# Altium PCB CrypTech.PcbDoc (part 6 of 6)
Units mm, origin at the board's own origin, x right, y up, seen from the top; angles counter-clockwise.
Board outline 99.5 x 122 mm, 8 copper layers (Top, Ground Plane 1, Inner Layer 1, 3V3 Plane, Power Plane, Inner Layer 2, Ground Plane 2, Bottom), stack 1.553 mm thick; 385 components, 302 nets, 2103 pads, 1544 vias.
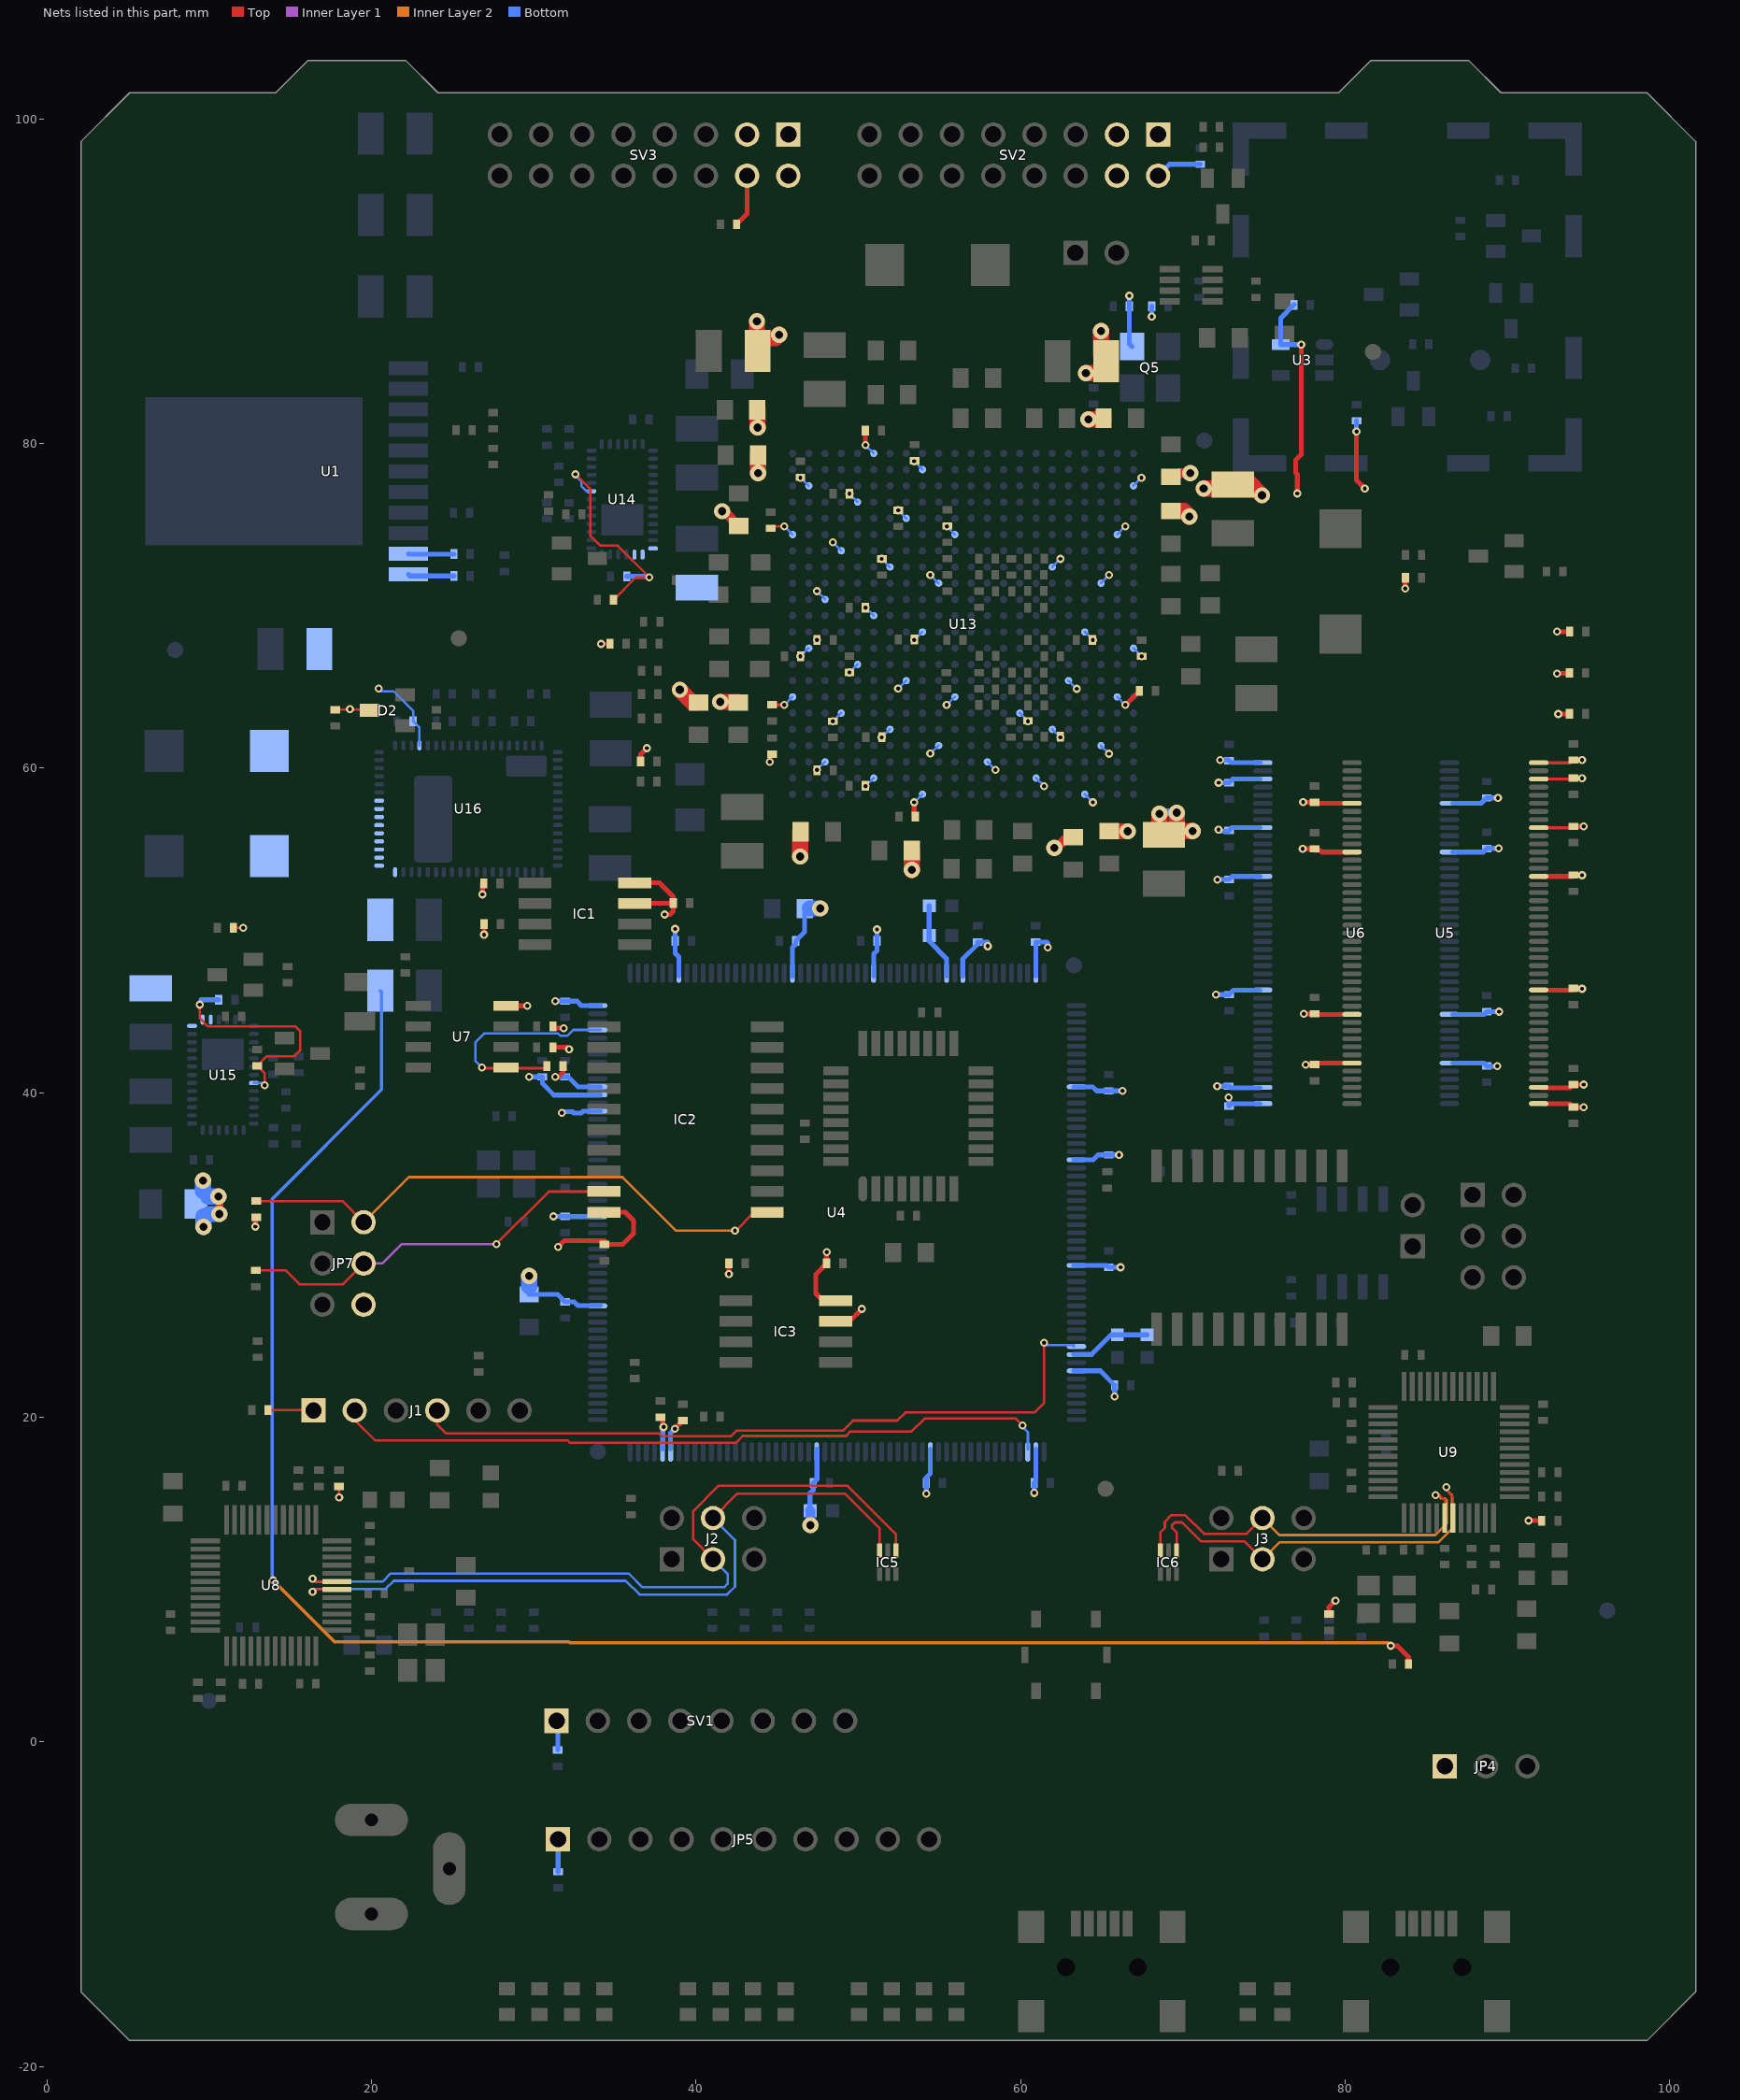
[diagram p12: the nets of this part, all layers, seen from the top]

## Via types
v1: diameter 0.5, hole 0.25, Top to Bottom, tented both sides, 1180 vias
v2: diameter 1, hole 0.5, Top to Bottom, tented both sides, 296 vias
v3: diameter 0.6, hole 0.25, Top to Bottom, tented both sides, 68 vias

## Nets (pads, with @x,y where several pads share a name; then routed paths per layer and width w, separated by ;. In a path a pad name is that pad's centre, name@x,y a point inside that pad or via, vN(x,y) a via of type N, cw(c..) or ccw(c..) an arc to the next point about the centre after c; other vN are vias at no path point) (continued)
RTC_SDA: R19.2 U4.49 U7.5 | length 13.9
  Top w0.15: v1(26.801,41.552) 26.85,41.503 30.683,41.503 R19.2@30.809,41.629
  Bottom w0.15: v1(26.801,41.552) 26.4,41.953 26.4,43.1 26.95,43.65 31.503,43.65 31.653,43.5 32.075,43.5 32.441,43.866 U4.49@34.112,43.866
SPI_A_TRISTATE: IC2.1 JP7.2 R46.1 | length 35
  Top w0.15: R46.1@12.9,33.325 18.21,33.325 JP7.2@19.52,32.015 ; v1(42.4,31.5) 42.45,31.5 43.587,32.637 IC2.1@44.385,32.637
  Inner Layer 2 w0.15: JP7.2@19.52,32.015 22.305,34.8 35.475,34.8 38.775,31.5 v1(42.4,31.5)
SPI_B_TRISTATE: IC2.19 JP7.4 R47.1 | length 24.2
  Top w0.15: R47.1@12.875,29.05 14.72,29.05 15.57,28.2 18.245,28.2 JP7.4@19.52,29.475 ; v1(27.7,30.675) 30.932,33.907 IC2.19@34.327,33.907
  Inner Layer 1 w0.15: JP7.4@19.52,29.475 20.675,29.475 21.875,30.675 v1(27.7,30.675)
SWDCLK: J1.2 U4.159 | length 44.7
  Top w0.15: J1.2@18.974,20.422 18.974,19.826 20.225,18.575 32.097,18.575 32.247,18.425 42.45,18.425 42.875,18.85 49.25,18.85 49.525,19.125 53.275,19.125 54.075,19.925 59.7,19.925 v1(60.125,19.5)
  Bottom w0.15: v1(60.125,19.5) 60.125,19.4 60.452,19.073 U4.159@60.452,18.034
SWDIO: J1.4 U4.147 | length 45.1
  Top w0.15: J1.4@24.054,20.422 24.054,19.546 24.6,19 37.728,19 37.903,18.825 42.15,18.825 42.5,19.175 49.05,19.175 49.675,19.8 52.403,19.8 52.903,20.3 60.85,20.3 61.45,20.9 v1(61.45,24.6)
  Bottom w0.15: v1(61.45,24.6) 61.6,24.45 63.271,24.45 U4.147@63.271,24.359
USB_MGMT_N: IC6.3 J3.4 U9.6 | length 25.9
  Top w0.15: IC6.3@68.613,11.799 68.613,12.908 68.888,13.183 68.888,13.561 69.302,13.975 70.136,13.975 71.294,12.817 73.93,12.817 J3.4@74.905,13.792 ; v1(85.575,15.2) 85.83,15.2 86.135,14.894 U9.6@86.135,13.8 ; U9.6@86.135,13.6 U9.6@86.135,14.403
  Inner Layer 2 w0.15: J3.4@74.905,13.792 75.95,12.747 85.547,12.747 86.25,13.45 86.25,14.9 86.144,15.006 85.897,15.006 85.703,15.2 v1(85.575,15.2)
USB_MGMT_P: IC6.1 J3.3 U9.7 | length 25.4
  Top w0.15: IC6.1@69.613,11.799 69.613,12.908 69.338,13.183 69.338,13.375 69.488,13.525 69.95,13.525 71.125,12.35 73.807,12.35 J3.3@74.905,11.252 ; v1@86.118,15.618 86.635,15.101 U9.7@86.635,13.8
  Inner Layer 2 w0.15: J3.3@74.905,11.252 75.95,12.297 85.734,12.297 86.568,13.132 86.568,15.218 86.229,15.557 v1(86.229,15.701)
USB_N: IC5.3 J2.4 U8.6 | length 46.5
  Top w0.15: v1(16.375,9.25) 16.511,9.386 U8.6@18.069,9.386 ; J2.4@41.046,13.792 42.554,15.3 49.175,15.3 51.316,13.159 IC5.3@51.316,11.799
  Bottom w0.15: v1(16.375,9.25) 16.55,9.425 20.875,9.425 21.375,9.925 35.664,9.925 36.514,9.075 41.911,9.075 42.4,9.564 42.4,12.439 J2.4@41.046,13.792
USB_P: IC5.1 J2.3 U8.7 | length 48.8
  Top w0.15: v1(16.375,10.05) 16.535,9.89 U8.7@18.069,9.89 ; J2.3@41.046,11.252 39.825,12.474 39.825,14.225 41.375,15.775 49.336,15.775 52.316,12.795 IC5.1@52.316,11.799
  Bottom w0.15: v1(16.375,10.05) 16.55,9.875 20.689,9.875 21.189,10.375 35.85,10.375 36.7,9.525 41.725,9.525 41.95,9.75 41.95,10.349 J2.3@41.046,11.252
VCAP1: C22.2 C23.2 U4.92 | length 4.8
  Bottom w0.3: C22.2@54.367,51.511 C23.2@54.367,49.682 54.367,49.333 55.448,48.252 U4.92@55.448,47.193
VCAP2: C24.2 C25.2 U4.148 | length 5
  Bottom w0.3: U4.148@63.271,23.876 64.376,23.876 65.584,25.084 C24.2@65.964,25.084 C25.2@67.793,25.084
VCC_5V0: C6.1 C8.1 C9.1 C10.1 C113.1 C114.1 C205.1 C206.1 D2.3 R8.2 R52.2 R54.2 R66.2 R72.1 R73.2 R75.2 R77.2 R78.2 U1.10 U1.11 U14.19 U14.20 U14.21 U14.33 U15.19 U15.20 U15.21 U15.33 U16.34 U16.35 U16.36 U16.37 U16.38 U16.39 U16.40 U16.41 U16.42 U16.43 U16.53 | length 154.4
  Top w0.15: v1(9.425,45.425) 9.425,44.575 9.923,44.077 15.323,44.077 15.6,43.8 15.6,42.6 15.25,42.25 13.565,42.25 R77.2@12.971,41.657 13.425,41.203 v1(13.425,40.45) ; R73.2@11.498,50.165 v1(12.09,50.165) ; R72.1@17.78,63.594 19.838,63.594 D2.3@19.88,63.551 ; v1(32.575,78.1) 33.5,77.175 33.5,74.3 34.1,73.7 35.175,73.7 v1(37.125,71.75) 36.309,71.75 R75.2@34.917,70.358
  Top w0.3: v1(82.798,5.925) 83.21,5.925 83.9,5.235 R78.2@83.9,4.8
  Inner Layer 2 w0.2: v1(13.95,9.95) 17.725,6.175 32.157,6.175 32.232,6.1 82.623,6.1 v1(82.798,5.925)
  Bottom w0.15: U15.33@12.751,40.597 13.278,40.597 v1(13.425,40.45) ; v1(20.45,64.9) 20.625,64.725 21.369,64.725 22.573,63.521 R66.2@22.573,62.89 22.962,62.501 U16.53@22.962,61.392 ; v1(32.575,78.1) 32.575,78 32.95,77.625 32.95,77.355 33.249,77.056 U14.33@33.553,77.056
  Bottom w0.2: v1(13.95,9.95) 13.875,9.95 13.875,33.443 20.625,40.193 20.625,46.201 C206.1@20.547,46.279
  Bottom w0.3: 9.486,45.72 R54.2@10.592,45.72 ; U1.11@22.276,71.933 22.377,71.831 C6.1@25.078,71.831 ; U1.10@22.276,73.203 22.301,73.177 R8.2@25.078,73.177 ; R52.2@35.73,71.806 37.069,71.806 v1(37.125,71.75)
  other v1: 18.675,63.625
VCCO_3V3: C16.2 C19.1 C21.1 C26.1 C27.1 C28.1 C29.1 C30.1 C31.1 C32.1 C33.1 C34.1 C35.1 C36.1 C37.1 C38.1 C39.1 C40.1 C41.1 C42.1 C43.1 C44.1 C45.1 C46.1 C47.1 C48.1 C49.1 C50.1 C51.1 C52.1 C53.1 C54.1 C55.1 C56.1 C57.1 C58.1 C59.1 C60.1 C61.1 C62.1 C63.1 C64.1 C65.1 C66.1 C67.1 C68.1 C69.1 C105.1 C108.1 C110.1 C111.1 C112.1 C121.1 C122.1 C165.1 C166.1 C167.1 C168.1 C169.1 C170.1 C171.1 C172.1 C173.1 C174.1 C175.1 C176.1 C177.1 C178.1 C179.1 C180.1 C181.1 C182.1 C183.1 C184.1 C185.1 C186.1 C187.1 C188.1 C189.1 C190.1 C191.1 C192.1 C193.1 C194.1 C195.1 C196.1 C197.1 C198.1 C199.1 C200.1 C201.1 C202.1 C203.1 C204.1 FB6.2 IC1.7 IC1.8 IC2.20 IC3.7 IC3.8 J1.1 JP4.1 JP5.1 JP7.6 Q5.4 R13.2 R17.1 R18.1 R19.1 R20.1 R21.1 R37.2 R38.2 R40.2 R41.2 R43.2 R44.2 R45.2 R46.2 R49.2 R51.2 R65.2 R90.1 R91.1 SV1.1 SV2.1 SV2.2 SV2.3 SV2.4 SV3.1 SV3.2 SV3.3 SV3.4 U3.5 U4.15 U4.26 U4.39 U4.41 U4.42 U4.52 U4.59 U4.73 U4.83 U4.94 U4.103 U4.115 U4.124 U4.137 U4.150 U4.158 U4.171 U4.185 U4.203 U4.204 U5.1 U5.3 U5.15 U5.29 U5.35 U5.41 U5.43 U5.49 U5.55 U5.75 U5.81 U6.1 U6.3 U6.15 U6.29 U6.35 U6.41 U6.43 U6.49 U6.55 U6.75 U6.81 U7.8 U13.A17 U13.AA7 U13.AA17 U13.AB4 U13.AB14 U13.B14 U13.C1 U13.C21 U13.D18 U13.E15 U13.F2 U13.F12 U13.F22 U13.G19 U13.H6 U13.H16 U13.J3 U13.J13 U13.K20 U13.L17 U13.M4 U13.M14 U13.N1 U13.N21 U13.P18 U13.R5 U13.R15 U13.T2 U13.T12 U13.T22 U13.U8 U13.U19 U13.V6 U13.V16 U13.W3 U13.W13 U13.Y10 U13.Y20 | length 258.8
  Top w0.15: C19.1@13.625,20.45 16.405,20.45 J1.1@16.434,20.422 ; v1(18.01,15.06) R91.1@18.01,15.74 ; v1(34.15,67.65) R41.2@34.7,67.65 ; C204.1@44.602,74.862 44.632,74.892 v1(45.442,74.892) ; v1@45.434,63.898 v1(45.442,63.889)
  Top w0.2: C187.1@44.679,63.898 v1@45.434,63.898 ; U5.35@92.1,56.326 93.977,56.326 C49.1@94.056,56.405 ; U5.41@92.1,59.326 94.005,59.326 C55.1@94.056,59.377 v1(94.6,59.377) ; U5.43@92.1,60.326 93.889,60.326 C53.1@94.056,60.493 ; v1@94.593,60.493 v1(94.6,60.5)
  Top w0.3: v1(12.85,31.75) 12.85,32.275 R46.2@12.9,32.325 ; v1(26.839,52.211) R18.1@26.839,52.908 ; v1(26.94,49.735) R17.1@26.94,50.393 ; U7.8@28.292,45.355 v1(29.595,45.355) v1@29.6,45.35 ; R20.1@31.183,42.799 32.051,42.799 v1(32.175,42.675) ; R21.1@31.183,44.094 31.328,43.95 31.353,43.975 v1(31.85,43.975) ; v1(31.322,40.978) 31.528,40.978 31.809,41.259 R19.1@31.809,41.629 ; v1@31.475,30.475 31.875,30.875 34.352,30.875 C110.1@34.352,30.648 35.473,30.648 36.15,31.325 36.15,32.125 35.638,32.637 IC2.20@34.327,32.637 IC2.20@34.352,32.612 ; v1@31.702,38.752 v1(31.727,38.752) ; IC1.7@36.229,51.663 38.588,51.663 C69.1@38.6,51.675 ; IC1.8@36.229,52.933 37.742,52.933 38.6,52.075 C69.1@38.6,51.675 ; R37.2@36.591,60.408 36.591,60.841 v1(36.975,61.225) ; C35.1@37.956,20.041 37.956,19.444 v1(38,19.4) ; v1(38.075,50.975) 38.4,50.975 38.6,51.175 C69.1@38.6,51.675 ; v1(38.7,19.3) C37.1@39.2,19.8 ; v1(42.025,28.825) R51.2@42.025,29.475 ; C122.1@42.5,93.5 43.149,94.149 SV3.4@43.149,96.495 ; v1(44.552,60.378) 44.552,60.702 R65.2@44.7,60.85 ; v1(48.05,30.175) C112.1@48.05,29.475 47.375,28.8 47.375,27.625 47.812,27.188 IC3.8@48.61,27.188 ; IC3.7@48.61,25.918 49.468,25.918 v1(50.225,26.675) ; C198.1@50.427,80.797 50.427,79.915 v1(50.446,79.896) ; v1(53.443,57.89) 53.443,57.064 C188.1@53.51,56.998 ; v1(66.453,63.885) 67.313,64.745 C190.1@67.318,64.745 ; v1(77.049,76.921) 77.049,78.101 76.95,78.2 76.95,78.978 77.291,79.319 v1(77.291,86.091) ; v1(77.376,55.024) C52.1@78.105,55.024 78.202,54.928 78.456,54.928 78.557,54.826 U5.55@80.227,54.826 ; v1(77.405,57.895) C50.1@78.105,57.895 78.173,57.826 U5.49@80.227,57.826 ; v1(77.454,44.852) 78.093,44.852 C56.1@78.105,44.864 78.147,44.823 U5.75@80.227,44.823 ; v1(77.573,41.727) C48.1@78.105,41.727 78.203,41.825 U5.81@80.227,41.825 ; R38.2@79,7.875 79,8.3 v1(79.4,8.7) ; v1(80.696,80.725) 80.696,77.737 v1(81.207,77.225) ; v1(83.704,71.053) 83.704,71.725 R40.2@83.709,71.73 ; v1(91.292,13.633) R90.1@92.108,13.633 ; U5.1@92.1,39.311 93.853,39.311 C47.1@94.056,39.108 v1(94.692,39.108) ; U5.3@92.1,40.301 93.862,40.301 C54.1@94.056,40.496 v1(94.696,40.496) ; U5.15@92.1,46.321 93.954,46.321 C51.1@94.056,46.423 94.577,46.423 v1(94.6,46.4) ; U5.29@92.1,53.326 93.974,53.326 C57.1@94.056,53.408 94.592,53.408 v1(94.6,53.4) ; v1(93.052,65.827) R44.2@93.836,65.827 ; v1(93.052,68.402) R43.2@93.836,68.402 ; v1(93.127,63.327) R45.2@93.81,63.327 ; C49.1@94.056,56.405 94.695,56.405 v1(94.7,56.4) ; C53.1@94.056,60.493 v1@94.593,60.493
  Top w0.5: v2(10.625,32.525) v2@10.625,33.6
  Top w0.6: v2(41.6,75.825) 41.717,75.825 C178.1@42.621,74.921 ; v2@62.089,54.961 62.871,55.743 C169.1@63.246,55.743 ; C175.1@69.266,77.943 69.493,77.943 69.725,78.175 v2(70.45,78.175)
  Top w1: v2(39,64.825) 39.782,64.043 C172.1@40.15,64.043 ; v2(41.5,64.075) C173.1@42.596,64.075 ; C166.1@43.7,86.475 44.9,86.475 v2(45.125,86.7) ; C166.1@43.75,86.1 v2(43.75,87.525) ; v2(43.8,80.975) C170.1@43.8,82.067 ; v2(43.825,78.175) C171.1@43.824,79.273 ; v2(46.425,54.55) C180.1@46.425,56.083 ; v2(53.3,53.725) C174.1@53.299,54.915 ; v2(64.025,84.325) C165.1@65.45,84.325 ; v2(64.175,81.475) C177.1@65.116,81.475 ; C165.1@64.95,85.5 v2(64.95,86.925) ; C176.1@65.456,56.1 v2(66.6,56.1) ; C167.1@68.55,55.85 v2(68.55,57.175) ; C179.1@69.266,75.85 70.05,75.85 v2(70.4,75.5) ; C167.1@69.625,56.125 v2(70.6,56.125) ; C167.1@69.625,56.3 v2(69.625,57.25) ; v2(71.275,77.225) C168.1@72.7,77.225 ; C168.1@73.55,77.6 74.075,77.6 v2(74.875,76.8)
  Bottom w0.15: v1(45.442,63.889) U13.T22@45.938,64.385 ; v1(45.442,74.892) U13.F22@45.938,74.397 ; v1(46.433,66.89) U13.N21@46.928,67.385 ; v1(46.433,77.889) U13.C21@46.928,77.394 ; v1(47.449,59.889) U13.Y20@47.944,60.385 ; v1(47.449,70.904) U13.K20@47.944,70.409 ; v1(48.44,62.89) U13.U19@48.935,63.385 ; v1(48.44,73.901) U13.G19@48.935,73.406 ; v1(49.456,65.889) U13.P18@49.951,66.385 ; v1(49.456,76.898) U13.D18@49.951,76.403 ; v1(50.446,58.89) U13.AA17@50.942,59.385 ; v1(50.446,69.888) U13.L17@50.942,69.393 ; v1(50.446,79.896) U13.A17@50.942,79.4 ; v1(51.437,61.89) U13.V16@51.932,62.385 ; v1(51.437,72.885) U13.H16@51.932,72.39 ; v1(52.453,64.889) U13.R15@52.948,65.385 ; v1(52.453,75.882) U13.E15@52.948,75.387 ; v1(53.443,57.89) U13.AB14@53.939,58.385 ; v1(53.443,67.89) U13.M14@53.939,68.385 ; v1(53.443,78.905) U13.B14@53.939,78.41 ; v1(54.434,60.889) U13.W13@54.929,61.385 ; v1(54.434,71.895) U13.J13@54.929,71.399 ; v1(55.445,63.885) U13.T12@55.945,64.385 ; v1(55.45,74.892) U13.F12@55.945,74.397 ; U13.Y10@57.953,60.385 v1(58.453,59.885) ; U13.U8@59.953,63.385 v1(60.453,62.885) ; U13.AA7@60.953,59.385 v1(61.453,58.885) ; U13.V6@61.953,62.385 v1(62.453,61.885) ; U13.H6@61.953,72.39 v1(62.449,72.885) ; U13.R5@62.953,65.385 v1(63.453,64.885) ; U13.AB4@63.953,58.385 v1(64.453,57.885) ; U13.M4@63.953,68.385 v1(64.453,67.885) ; U13.W3@64.953,61.385 v1(65.453,60.885) ; U13.J3@64.953,71.399 v1(65.449,71.895) ; U13.T2@65.953,64.385 v1(66.453,63.885) ; U13.F2@65.953,74.397 v1(66.449,74.892) ; U13.N1@66.953,67.385 v1(67.453,66.885) ; U13.C1@66.953,77.394 v1(67.449,77.889)
  Bottom w0.3: C26.1@29.718,27.568 31.479,27.568 C32.1@31.928,27.119 32.481,27.119 32.727,26.873 U4.15@34.112,26.873 ; v1(29.722,40.978) C33.1@30.531,40.978 30.531,40.569 31.247,39.853 U4.41@34.112,39.853 ; v1(31.223,32.377) C46.1@31.928,32.377 31.945,32.36 U4.26@34.112,32.36 ; v1(31.336,45.636) C40.1@31.928,45.636 32.664,45.636 32.936,45.364 U4.52@34.112,45.364 ; SV1.1@31.41,1.3 31.484,1.226 C108.1@31.484,-0.5 ; v1@31.422,40.978 C41.1@31.928,40.978 32.122,40.978 32.739,40.361 U4.42@34.112,40.361 ; C105.1@31.5,-8 JP5.1@31.5,-6 ; v1(31.727,38.752) 31.725,38.753 31.725,38.825 32.397,38.825 32.472,38.75 32.928,38.75 33.04,38.862 U4.39@34.112,38.862 ; U4.204@37.948,18.034 37.948,19.348 v1(38,19.4) ; U4.203@38.43,18.034 38.43,19.03 v1(38.7,19.3) ; v1(38.718,50.082) C43.1@38.718,49.352 38.718,48.582 38.938,48.362 U4.59@38.938,47.193 ; U4.73@45.949,47.193 45.949,48.949 46.144,49.144 C44.1@46.144,49.352 46.695,49.903 C27.1@46.695,51.333 ; C21.1@47.027,14.249 47.027,15.327 47.227,15.527 C38.1@47.227,15.951 47.447,16.172 U4.185@47.447,18.034 ; U4.83@50.952,47.193 50.952,48.552 51.148,48.748 C28.1@51.148,49.352 v1(51.148,50.052) ; v1(54.186,15.286) C39.1@54.186,15.951 54.186,16.286 54.432,16.532 U4.171@54.432,18.034 ; U4.94@56.439,47.193 56.439,48.239 57.353,49.153 C30.1@57.353,49.284 57.975,49.284 v1(57.975,49.025) ; v1(60.841,15.341) C31.1@60.841,15.951 60.935,16.045 U4.158@60.935,18.034 ; U4.103@60.935,47.193 C34.1@60.935,49.284 61.617,49.284 61.675,49.226 v1(61.675,48.95) ; U4.150@63.271,22.86 64.905,22.86 C42.1@65.794,21.971 65.794,21.281 v1(65.8,21.275) ; U4.137@63.271,29.362 65.311,29.362 C36.1@65.43,29.243 v1(66.157,29.243) ; U4.124@63.271,35.865 64.465,35.865 64.762,36.162 C29.1@65.43,36.162 v1(66.062,36.162) ; U4.115@63.271,40.361 64.439,40.361 64.685,40.115 C45.1@65.43,40.115 v1(66.285,40.115) ; v1(66.7,89.1) C111.1@66.7,88.443 66.7,86.139 Q5.4@66.878,85.961 ; v1(68.08,87.82) R49.2@68.08,88.443 ; SV2.2@68.473,96.495 69.178,97.2 C121.1@71.075,97.2 ; v1(72.042,46.042) C66.1@72.847,46.042 73.126,46.321 U6.15@74.74,46.321 ; v1(72.108,40.392) 72.847,40.392 72.938,40.301 U6.3@74.74,40.301 ; v1(72.129,53.129) C62.1@72.847,53.129 73.045,53.326 U6.29@74.74,53.326 ; v1@72.2,56.1 72.796,56.1 C68.1@72.847,56.151 73.022,56.326 U6.35@74.74,56.326 ; v1(72.202,59.098) C64.1@72.847,59.098 73.076,59.326 U6.41@74.74,59.326 ; v1(72.3,60.5) 72.804,60.5 C60.1@72.847,60.457 72.978,60.326 U6.43@74.74,60.326 ; v1(72.825,39.7) 72.825,39.502 72.847,39.48 C59.1@72.847,39.183 72.975,39.311 U6.1@74.74,39.311 ; C16.2@76.843,88.544 76.018,87.72 U3.5@76.018,86.091 v1(77.291,86.091) v1@77.325,86.125 ; v1@80.696,80.646 v1(80.696,80.725) R13.2@80.696,81.39 ; U6.81@86.614,41.825 88.545,41.825 C63.1@88.722,41.648 88.743,41.627 v1(89.379,41.627) ; U6.75@86.614,44.823 88.557,44.823 C67.1@88.722,44.987 v1(89.487,44.987) ; U6.55@86.614,54.826 88.503,54.826 C65.1@88.722,55.046 v1(89.454,55.046) ; U6.49@86.614,57.826 88.383,57.826 C61.1@88.722,58.166 v1(89.416,58.166)
  Bottom w0.5: v2(68.55,57.175) 68.625,57.25 v2(69.625,57.25)
  Bottom w0.6: C21.1@47.027,14.249 47.05,14.226 v2(47.05,13.35)
  Bottom w1: FB6.2@9.625,33.936 v2(9.625,34.575) ; v2(9.65,31.725) FB6.2@9.65,32.364 ; 9.936,33.6 v2(10.575,33.6) ; 9.986,32.525 v2(10.625,32.525) ; C26.1@29.725,28.061 v2(29.725,28.7) ; C27.1@47.011,51.35 v2(47.65,51.35)
  other v1: 31.5,30.5 72.2,56.2 47.455,67.894
  other v2: 62.075,55.075
pads on no net: CN1. CN1.ID CN2. CN2.ID D1.2 D2.2 D3.2 D4.2 J1.6 Q2.3 S2.A1 U1.9 U3.1 U4.7 U4.8 U4.9 U4.10 U4.13 U4.19 U4.20 U4.28 U4.29 U4.30 U4.31 U4.36 U4.46 U4.57 U4.58 U4.62 U4.63 U4.64 U4.65 U4.66 U4.67 U4.68 U4.69 U4.95 U4.118 U4.121 U4.126 U4.127 U4.128 U4.133 U4.134 U4.138 U4.139 U4.140 U4.141 U4.160 U4.161 U4.162 U4.163 U4.166 U4.176 U4.178 U4.179 U4.180 U4.181 U4.186 U4.192 U4.193 U4.198 U4.199 U5.9 U5.14 U5.30 U5.57 U5.70 U5.73 U6.9 U6.14 U6.30 U6.57 U6.70 U6.73 U8.18 U8.19 U8.20 U8.21 U8.25 U8.26 U8.27 U8.28 U8.29 U8.30 U8.31 U8.32 U8.33 U8.43 U8.44 U8.45 U9.18 U9.19 U9.20 U9.21 U9.25 U9.26 U9.27 U9.28 U9.29 U9.30 U9.31 U9.32 U9.33 U9.43 U9.44 U9.45 U12.3 U13.A1 U13.A4 U13.A6 U13.A8 U13.A10 U13.AA10 U13.AA18 U13.B1 U13.B2 U13.B4 U13.B5 U13.B6 U13.B7 U13.B8 U13.B9 U13.B10 U13.B11 U13.B17 U13.B21 U13.B22 U13.C2 U13.C4 U13.C5 U13.C7 U13.C8 U13.C9 U13.C11 U13.C17 U13.C19 U13.D1 U13.D2 U13.D5 U13.D6 U13.D7 U13.D9 U13.D10 U13.D11 U13.D15 U13.D16 U13.D19 U13.D20 U13.D21 U13.D22 U13.E1 U13.E2 U13.E3 U13.E6 U13.E8 U13.E10 U13.E16 U13.E18 U13.E19 U13.E21 U13.E22 U13.F1 U13.F3 U13.F4 U13.F6 U13.F7 U13.F8 U13.F9 U13.F10 U13.F13 U13.F15 U13.F18 U13.F19 U13.F20 U13.F21 U13.G1 U13.G2 U13.G3 U13.G4 U13.G13 U13.G15 U13.G16 U13.G17 U13.G18 U13.G20 U13.G21 U13.G22 U13.H2 U13.H3 U13.H4 U13.H5 U13.H13 U13.H14 U13.H15 U13.H17 U13.H18 U13.H19 U13.H20 U13.H22 U13.J1 U13.J2 U13.J4 U13.J5 U13.J6 U13.J14 U13.J15 U13.J16 U13.J17 U13.J19 U13.J20 U13.J21 U13.J22 U13.K1 U13.K2 U13.K3 U13.K4 U13.K6 U13.K13 U13.K14 U13.K16 U13.K17 U13.K18 U13.K19 U13.K21 U13.K22 U13.L1 U13.L3 U13.L4 U13.L5 U13.L6 U13.L10 U13.L13 U13.L14 U13.L15 U13.L16 U13.L18 U13.L19 U13.L20 U13.L21 U13.M1 U13.M2 U13.M3 U13.M5 U13.M6 U13.M9 U13.M13 U13.M15 U13.M16 U13.M17 U13.M18 U13.M20 U13.M21 U13.M22 U13.N2 U13.N3 U13.N4 U13.N5 U13.N13 U13.N14 U13.N17 U13.N18 U13.N19 U13.N20 U13.N22 U13.P1 U13.P2 U13.P4 U13.P5 U13.P6 U13.P14 U13.P15 U13.P16 U13.P17 U13.P19 U13.P20 U13.R1 U13.R2 U13.R3 U13.R6 U13.R14 U13.R16 U13.R17 U13.R18 U13.R19 U13.T3 U13.T4 U13.T5 U13.T6 U13.T14 U13.T15 U13.T16 U13.T18 U13.T20 U13.T21 U13.U5 U13.U6 U13.U7 U13.U15 U13.U16 U13.U17 U13.U18 U13.U21 U13.V7 U13.V8 U13.V9 U13.V10 U13.V13 U13.V14 U13.V15 U13.V17 U13.V19 U13.V22 U13.W4 U13.W5 U13.W6 U13.W7 U13.W9 U13.W15 U13.W21 U13.Y2 U13.Y8 U13.Y9 U13.Y19 U14.1 U14.2 U14.3 U14.4 U14.12 U14.22 U14.23 U14.24 U14.25 U14.34 U14.35 U14.36 U14.37 U14.38 U15.1 U15.2 U15.3 U15.4 U15.12 U15.22 U15.23 U15.24 U15.25 U15.34 U15.35 U15.36 U15.37 U15.38 U16.14 U16.15 U16.16 U16.17 U16.18 U16.19 U16.20 U16.21 U16.22 U16.23 U16.24 U16.25 U16.26 U16.44 U16.45 U16.46 U16.47 U16.48 U16.49 U16.50 U16.57 U16.58 U16.60 U16.61 U16.62
copper on no net: | length 142.7
  Bottom w0.15: v1(45.442,61.89) 45.938,62.385 ; v1(45.442,67.89) 45.938,68.385 ; v1(45.442,70.904) 45.938,70.409 ; v1(45.442,71.895) 45.938,71.399 ; v1(45.442,72.885) 45.938,72.39 ; v1(45.442,73.901) 45.938,73.406 ; v1(45.442,75.882) 45.938,75.387 ; v1(45.442,76.898) 45.938,76.403 ; v1(45.442,78.905) 45.938,78.41 ; v1@46.393,69.913 46.888,69.418 ; v1(46.433,60.889) 46.928,61.385 ; v1(46.433,62.89) 46.928,63.385 ; v1(46.433,63.889) 46.928,64.385 ; v1(46.433,67.89) 46.928,68.385 ; v1(46.433,70.904) 46.928,70.409 ; v1(46.433,71.895) 46.928,71.399 ; v1(46.433,73.901) 46.928,73.406 ; v1(46.433,74.892) 46.928,74.397 ; v1(46.433,75.882) 46.928,75.387 ; v1(46.433,76.898) 46.928,76.403 ; v1@47.443,69.888 47.938,69.393 ; v1(47.449,63.889) 47.944,64.385 ; v1(47.449,65.889) 47.944,66.385 ; v1(47.449,66.89) 47.944,67.385 ; v1(47.449,71.895) 47.944,71.399 ; v1(47.449,72.885) 47.944,72.39 ; v1(47.449,73.901) 47.944,73.406 ; v1(47.449,74.892) 47.944,74.397 ; v1(47.449,76.898) 47.944,76.403 ; v1@48.392,69.938 48.888,69.443 ; v1(48.44,64.889) 48.935,65.385 ; v1(48.44,65.889) 48.935,66.385 ; v1(48.44,66.89) 48.935,67.385 ; v1(48.44,70.904) 48.935,70.409 ; v1(48.44,71.895) 48.935,71.399 ; v1(48.44,72.885) 48.935,72.39 ; v1(48.44,74.892) 48.935,74.397 ; v1(48.44,75.882) 48.935,75.387 ; v1(48.44,77.889) 48.935,77.394 ; v1(49.456,62.89) 49.951,63.385 ; v1(49.456,63.889) 49.951,64.385 ; v1(49.456,64.889) 49.951,65.385 ; v1(49.456,67.89) 49.951,68.385 ; v1(49.456,70.904) 49.951,70.409 ; v1(49.456,72.885) 49.951,72.39 ; v1(49.456,73.901) 49.951,73.406 ; v1(49.456,74.892) 49.951,74.397 ; v1(49.456,75.882) 49.951,75.387 ; v1(50.446,62.89) 50.942,63.385 ; v1(50.446,64.889) 50.942,65.385 ; v1(50.446,65.889) 50.942,66.385 ; v1(50.446,66.89) 50.942,67.385 ; v1(50.446,67.89) 50.942,68.385 ; v1(50.446,70.904) 50.942,70.409 ; v1(50.446,71.895) 50.942,71.399 ; v1(50.446,72.885) 50.942,72.39 ; v1(50.446,73.901) 50.942,73.406 ; v1(50.446,77.889) 50.942,77.394 ; v1(50.446,78.905) 50.942,78.41 ; v1(51.437,62.89) 51.932,63.385 ; v1(51.437,63.889) 51.932,64.385 ; v1(51.437,64.889) 51.932,65.385 ; v1(51.437,65.889) 51.932,66.385 ; v1(51.437,67.89) 51.932,68.385 ; v1(51.437,69.888) 51.932,69.393 ; v1(51.437,70.904) 51.932,70.409 ; v1(51.437,73.901) 51.932,73.406 ; v1(51.437,75.882) 51.932,75.387 ; v1@51.437,76.907 51.932,76.412 ; v1(52.453,60.889) 52.948,61.385 ; v1(52.453,61.89) 52.948,62.385 ; v1(52.453,62.89) 52.948,63.385 ; v1(52.453,63.889) 52.948,64.385 ; v1(52.453,65.889) 52.948,66.385 ; v1(52.453,69.888) 52.948,69.393 ; v1(52.453,71.895) 52.948,71.399 ; v1(52.453,72.885) 52.948,72.39 ; v1(52.453,73.901) 52.948,73.406 ; v1@52.462,76.882 52.957,76.387 ; v1(53.443,61.89) 53.939,62.385 ; v1(53.443,63.889) 53.939,64.385 ; v1(53.443,64.889) 53.939,65.385 ; v1(53.443,65.889) 53.939,66.385 ; v1(53.443,66.89) 53.939,67.385 ; v1(53.443,69.888) 53.939,69.393 ; v1(53.443,70.904) 53.939,70.409 ; v1(53.443,71.895) 53.939,71.399 ; v1(53.443,72.885) 53.939,72.39 ; v1(54.434,61.89) 54.929,62.385 ; v1(54.434,66.89) 54.929,67.385 ; v1(54.434,67.89) 54.929,68.385 ; v1(54.434,69.888) 54.929,69.393 ; v1(54.434,70.904) 54.929,70.409 ; v1(54.434,72.885) 54.929,72.39 ; v1(54.434,73.901) 54.929,73.406 ; v1(54.434,74.892) 54.929,74.397 ; 56.953,76.403 v1(57.449,76.898) ; 56.953,77.394 v1(57.449,77.889) ; 56.953,78.41 v1(57.449,78.905) ; 57.953,59.385 v1(58.453,58.885) ; 57.953,62.385 v1(58.453,61.885) ; 57.953,69.393 v1(58.453,69.893) ; 57.953,74.397 v1(58.449,74.892) ; 57.953,75.387 v1(58.449,75.882) ; 57.953,76.403 v1(58.449,76.898) ; 57.953,78.41 v1(58.449,78.905) ; 57.953,79.4 v1(58.449,79.896) ; 58.953,60.385 v1(59.453,59.885) ; 58.953,61.385 v1(59.453,60.885) ; 58.953,68.385 v1(59.453,67.885) ; 58.953,74.397 v1(59.449,74.892) ; 58.953,76.403 v1(59.449,76.898) ; 58.953,77.394 v1(59.449,77.889) ; 58.953,78.41 v1(59.449,78.905) ; 59.953,60.385 v1(60.453,59.885) ; 59.953,74.397 v1(60.449,74.892) ; 59.953,75.387 v1(60.449,75.882) ; 59.953,77.394 v1(60.449,77.889) ; 59.953,78.41 v1(60.449,78.905) ; 59.953,79.4 v1(60.449,79.896) ; 60.953,61.385 v1(61.453,60.885) ; 60.953,63.385 v1(61.453,62.885) ; 60.953,74.397 v1(61.449,74.892) ; 60.953,76.403 v1(61.449,76.898) ; 60.953,77.394 v1(61.449,77.889) ; 60.953,78.41 v1(61.449,78.905) ; 61.953,61.385 v1(62.453,60.885) ; 61.953,63.385 v1(62.453,62.885) ; 61.953,64.385 v1(62.453,63.885) ; 61.953,65.385 v1(62.453,64.885) ; 61.953,66.385 v1(62.453,65.885) ; 61.953,68.385 v1(62.453,67.885) ; 61.953,69.393 v1(62.453,69.893) ; 61.953,70.409 v1(62.449,70.904) ; 61.953,71.399 v1(62.449,71.895) ; 61.953,74.397 v1(62.449,74.892) ; 61.953,75.387 v1(62.449,75.882) ; 61.953,76.403 v1(62.449,76.898) ; 61.953,78.41 v1(62.449,78.905) ; 61.953,79.4 v1(62.449,79.896) ; 62.953,61.385 v1(63.453,60.885) ; 62.953,64.385 v1(63.453,63.885) ; 62.953,66.385 v1(63.453,65.885) ; 62.953,67.385 v1(63.453,66.885) ; 62.953,69.393 v1(63.453,69.893) ; 62.953,71.399 v1(63.449,71.895) ; 62.953,72.39 v1(63.449,72.885) ; 62.953,76.403 v1(63.449,76.898) ; 62.953,77.394 v1(63.449,77.889) ; 62.953,78.41 v1(63.449,78.905) ; 63.953,61.385 v1(64.453,60.885) ; 63.953,64.385 v1(64.453,63.885) ; 63.953,66.385 v1(64.453,65.885) ; 63.953,67.385 v1(64.453,66.885) ; 63.953,69.393 v1(64.453,69.893) ; 63.953,70.409 v1(64.449,70.904) ; 63.953,71.399 v1(64.449,71.895) ; 63.953,72.39 v1(64.449,72.885) ; 63.953,73.406 v1(64.449,73.901) ; 63.953,74.397 v1(64.449,74.892) ; 63.953,77.394 v1(64.449,77.889) ; 63.953,78.41 v1(64.449,78.905) ; 63.953,79.4 v1(64.449,79.896) ; 64.953,64.385 v1(65.453,63.885) ; 64.953,65.385 v1(65.453,64.885) ; 64.953,67.385 v1(65.453,66.885) ; 64.953,68.385 v1(65.453,67.885) ; 64.953,69.393 v1(65.453,69.893) ; 64.953,70.409 v1(65.449,70.904) ; 64.953,72.39 v1(65.449,72.885) ; 64.953,73.406 v1(65.449,73.901) ; 64.953,74.397 v1(65.449,74.892) ; 64.953,75.387 v1(65.449,75.882) ; 65.953,60.385 v1(66.453,59.885) ; 65.953,65.385 v1(66.453,64.885) ; 65.953,66.385 v1(66.453,65.885) ; 65.953,67.385 v1(66.453,66.885) ; 65.953,68.385 v1(66.453,67.885) ; 65.953,70.409 v1(66.449,70.904) ; 65.953,71.399 v1(66.449,71.895) ; 65.953,72.39 v1(66.449,72.885) ; 65.953,73.406 v1(66.449,73.901) ; 65.953,75.387 v1(66.449,75.882) ; 65.953,76.403 v1(66.449,76.898) ; 65.953,77.394 v1(66.449,77.889) ; 65.953,78.41 v1(66.449,78.905) ; 66.953,66.385 v1(67.453,65.885) ; 66.953,69.393 v1(67.453,69.893) ; 66.953,70.409 v1(67.449,70.904) ; 66.953,71.399 v1(67.449,71.895) ; 66.953,73.406 v1(67.449,73.901) ; 66.953,74.397 v1(67.449,74.892) ; 66.953,75.387 v1(67.449,75.882) ; 66.953,76.403 v1(67.449,76.898) ; 66.953,78.41 v1(67.449,78.905) ; 66.953,79.4 v1(67.449,79.896) ; 71.5,8.75 74.1,8.75 74.55,9.2 76.425,9.2